# Altium PCB Goldstrike1_Rev01 2014 06 02 2.PcbDoc (part 5 of 6) (continued)
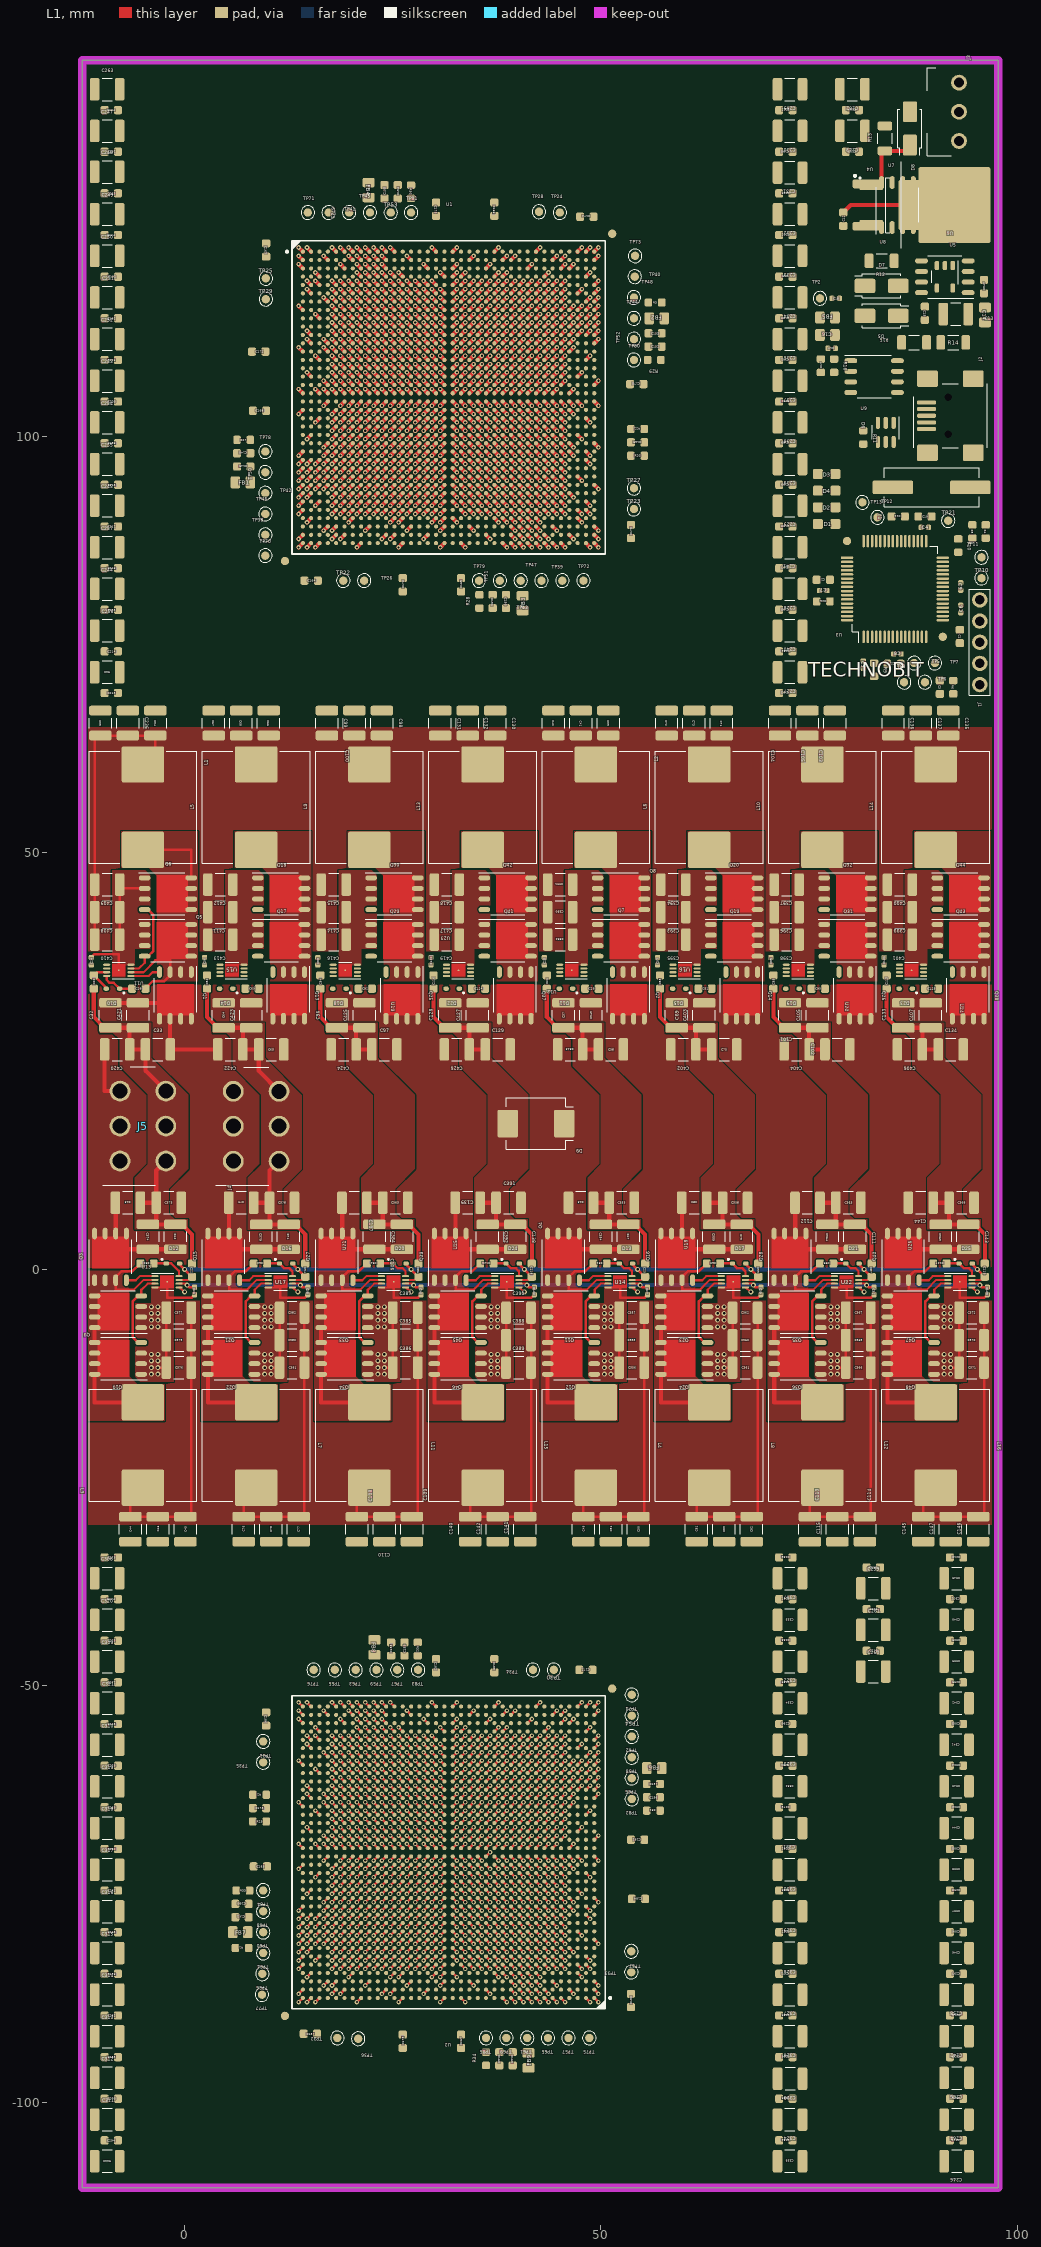
[diagram p0: L1 view]
## Nets (pads, with @x,y where several pads share a name; then routed paths per layer and width w, separated by ;. In a path a pad name is that pad's centre, name@x,y a point inside that pad or via, vN(x,y) a via of type N, cw(c..) or ccw(c..) an arc to the next point about the centre after c; other vN are vias at no path point) (continued)
  L1 w0.5: C20.1@-10.9,33.7 -10.9,30.3 -9.6,29 C421.1@-6.6,29 ; C421.1@-5.6,29 C421.1@-6.6,29 ; C43.1@-5.3,8 C373.1@-3.4,8 ; C374.1@-4.4,5.4 C374.1@-3.4,5.4 ; J5.4@-2.25,13 -3.4,11.85 C373.1@-3.4,8 ; J5.6@-2.25,21.4 -4.7,23.85 C33.1@-4.7,26.4 C420.1@-6.6,26.4 C421.1@-6.6,29 ; C22.1@0.9,0.7 0.9,4.2 -0.3,5.4 C42.1@-1.1,5.4 C374.1@-3.4,5.4 ; C52.1@2.7,33.7 2.7,30.3 4,29 C423.1@7,29 ; C423.1@8,29 C423.1@7,29 ; C75.1@8.3,8 C378.1@10.2,8 ; C379.1@9.2,5.4 C379.1@10.2,5.4 ; J4.4@11.35,12.981 10.2,11.85 C378.1@10.2,8 ; J4.6@11.35,21.381 8.9,23.85 C65.1@8.9,26.4 C422.1@7,26.4 C423.1@7,29 ; v1(13.7,86.7) U1.AT1@14.2,87.2 ; v1(13.7,87.7) U1.AR1@14.2,88.2 ; v1(13.7,95.7) U1.AG1@14.2,96.2 ; v1(13.7,97.7) U1.AE1@14.2,98.2 ; v1(13.7,105.7) U1.V1@14.2,105.2 ; v1(13.7,115.7) U1.H1@14.2,115.2 ; v1(13.7,121.7) U1.B1@14.2,121.2 ; v1(13.7,122.7) U1.A1@14.2,122.2 ; C54.1@14.5,0.7 14.5,4.2 13.3,5.4 C74.1@12.5,5.4 C379.1@10.2,5.4 ; v1(14.7,86.7) U1.AT2@15.2,87.2 ; v1(14.7,94.7) U1.AH2@15.2,95.2 ; v1(14.7,96.7) U1.AF2@15.2,97.2 ; v1(14.7,112.7) U1.L2@15.2,112.2 ; v1(14.7,118.7) U1.E2@15.2,118.2 ; v1(14.7,122.7) U1.A2@15.2,122.2 ; v1(15.7,91.7) U1.AL3@16.2,92.2 ; v1(15.7,101.7) U1.AA3@16.2,102.2 ; v1(15.7,105.7) U1.V3@16.2,105.2 ; v1(15.7,109.7) U1.P3@16.2,109.2 ; v1(15.7,119.7) U1.D3@16.2,119.2 ; C84.1@16.3,33.7 16.3,30.3 17.6,29 C425.1@20.6,29 ; v1(16.7,88.7) U1.AP4@17.2,89.2 ; v1(16.7,98.7) U1.AD4@17.2,99.2 ; v1(16.7,106.7) U1.U4@17.2,106.2 ; v1(16.7,116.7) U1.G4@17.2,116.2 ; v1(17.7,87.7) U1.AR5@18.2,88.2 ; v1(17.7,91.7) U1.AL5@18.2,92.2 ; v1(17.7,93.7) U1.AJ5@18.2,94.2 ; v1(17.7,95.7) U1.AG5@18.2,96.2 ; v1(17.7,97.7) U1.AE5@18.2,98.2 ; v1(17.7,99.7) U1.AC5@18.2,100.2 ; v1(17.7,101.7) U1.AA5@18.2,102.2 ; v1(17.7,102.7) U1.Y5@18.2,103.2 ; v1(17.7,105.7) U1.V5@18.2,105.2 ; v1(17.7,107.7) U1.T5@18.2,107.2 ; v1(17.7,109.7) U1.P5@18.2,109.2 ; v1(17.7,111.7) U1.M5@18.2,111.2 ; v1(17.7,113.7) U1.K5@18.2,113.2 ; v1(17.7,115.7) U1.H5@18.2,115.2 ; v1(18.7,92.7) U1.AK6@19.2,93.2 ; v1(18.7,94.7) U1.AH6@19.2,95.2 ; v1(18.7,96.7) U1.AF6@19.2,97.2 ; v1(18.7,98.7) U1.AD6@19.2,99.2 ; v1(18.7,100.7) U1.AB6@19.2,101.2 ; v1(18.7,102.7) U1.Y6@19.2,103.2 ; v1(18.7,106.7) U1.U6@19.2,106.2 ; v1(18.7,108.7) U1.R6@19.2,108.2 ; v1(18.7,110.7) U1.N6@19.2,110.2 ; v1(18.7,112.7) U1.L6@19.2,112.2 ; v1(18.7,114.7) U1.J6@19.2,114.2 ; v1(18.7,116.7) U1.G6@19.2,116.2 ; v1(18.7,118.7) U1.E6@19.2,118.2 ; v1(18.7,120.7) U1.C6@19.2,120.2 ; v1(19.7,89.7) U1.AN7@20.2,90.2 ; v1(19.7,91.7) U1.AL7@20.2,92.2 ; v1(19.7,93.7) U1.AJ7@20.2,94.2 ; v1(19.7,95.7) U1.AG7@20.2,96.2 ; v1(19.7,97.7) U1.AE7@20.2,98.2 ; v1(19.7,99.7) U1.AC7@20.2,100.2 ; v1(19.7,101.7) U1.AA7@20.2,102.2 ; v1(19.7,103.7) U1.W7@20.2,104.2 ; v1(19.7,105.7) U1.V7@20.2,105.2 ; v1(19.7,107.7) U1.T7@20.2,107.2 ; v1(19.7,109.7) U1.P7@20.2,109.2 ; v1(19.7,111.7) U1.M7@20.2,111.2 ; v1(19.7,113.7) U1.K7@20.2,113.2 ; v1(19.7,115.7) U1.H7@20.2,115.2 ; v1(19.7,117.7) U1.F7@20.2,117.2 ; v1(20.7,86.7) U1.AT8@21.2,87.2 ; v1(20.7,90.7) U1.AM8@21.2,91.2 ; v1(20.7,92.7) U1.AK8@21.2,93.2 ; v1(20.7,94.7) U1.AH8@21.2,95.2 ; v1(20.7,96.7) U1.AF8@21.2,97.2 ; v1(20.7,98.7) U1.AD8@21.2,99.2 ; v1(20.7,100.7) U1.AB8@21.2,101.2 ; v1(20.7,102.7) U1.Y8@21.2,103.2 ; v1(20.7,106.7) U1.U8@21.2,106.2 ; v1(20.7,108.7) U1.R8@21.2,108.2 ; v1(20.7,110.7) U1.N8@21.2,110.2 ; v1(20.7,112.7) U1.L8@21.2,112.2 ; v1(20.7,114.7) U1.J8@21.2,114.2 ; v1(20.7,116.7) U1.G8@21.2,116.2 ; v1(20.7,118.7) U1.E8@21.2,118.2 ; C425.1@21.6,29 C425.1@20.6,29 ; v1(21.7,91.7) U1.AL9@22.2,92.2 ; v1(21.7,93.7) U1.AJ9@22.2,94.2 ; v1(21.7,95.7) U1.AG9@22.2,96.2 ; v1(21.7,97.7) U1.AE9@22.2,98.2 ; v1(21.7,99.7) U1.AC9@22.2,100.2 ; v1(21.7,101.7) U1.AA9@22.2,102.2 ; v1(21.7,103.7) U1.W9@22.2,104.2 ; v1(21.7,105.7) U1.V9@22.2,105.2 ; v1(21.7,107.7) U1.T9@22.2,107.2 ; v1(21.7,109.7) U1.P9@22.2,109.2 ; v1(21.7,111.7) U1.M9@22.2,111.2 ; v1(21.7,113.7) U1.K9@22.2,113.2 ; v1(21.7,115.7) U1.H9@22.2,115.2 ; v1(21.7,117.7) U1.F9@22.2,117.2 ; v1(21.7,121.7) U1.B9@22.2,121.2 ; C107.1@21.9,8 C383.1@23.8,8 C384.1@23.8,5.4 ; C97.1@22.5,26.4 C424.1@20.6,26.4 C425.1@20.6,29 ; v1(22.7,90.7) U1.AM10@23.2,91.2 ; v1(22.7,92.7) U1.AK10@23.2,93.2 ; v1(22.7,94.7) U1.AH10@23.2,95.2 ; v1(22.7,96.7) U1.AF10@23.2,97.2 ; v1(22.7,98.7) U1.AD10@23.2,99.2 ; v1(22.7,100.7) U1.AB10@23.2,101.2 ; v1(22.7,102.7) U1.Y10@23.2,103.2 ; v1(22.7,106.7) U1.U10@23.2,106.2 ; v1(22.7,108.7) U1.R10@23.2,108.2 ; v1(22.7,110.7) U1.N10@23.2,110.2 ; v1(22.7,112.7) U1.L10@23.2,112.2 ; v1(22.7,114.7) U1.J10@23.2,114.2 ; v1(22.7,116.7) U1.G10@23.2,116.2 ; v1(22.7,118.7) U1.E10@23.2,118.2 ; v1(22.7,122.7) U1.A10@23.2,122.2 ; C384.1@22.8,5.4 C384.1@23.8,5.4 ; v1(23.7,87.7) U1.AR11@24.2,88.2 ; v1(23.7,91.7) U1.AL11@24.2,92.2 ; v1(23.7,93.7) U1.AJ11@24.2,94.2 ; v1(23.7,95.7) U1.AG11@24.2,96.2 ; v1(23.7,97.7) U1.AE11@24.2,98.2 ; v1(23.7,99.7) U1.AC11@24.2,100.2 ; v1(23.7,101.7) U1.AA11@24.2,102.2 ; v1(23.7,103.7) U1.W11@24.2,104.2 ; v1(23.7,105.7) U1.V11@24.2,105.2 ; v1(23.7,107.7) U1.T11@24.2,107.2 ; v1(23.7,109.7) U1.P11@24.2,109.2 ; v1(23.7,111.7) U1.M11@24.2,111.2 ; v1(23.7,113.7) U1.K11@24.2,113.2 ; v1(23.7,115.7) U1.H11@24.2,115.2 ; v1(23.7,117.7) U1.F11@24.2,117.2 ; v1(23.7,121.7) U1.B11@24.2,121.2 ; v1(24.7,90.7) U1.AM12@25.2,91.2 ; v1(24.7,92.7) U1.AK12@25.2,93.2 ; v1(24.7,94.7) U1.AH12@25.2,95.2 ; v1(24.7,96.7) U1.AF12@25.2,97.2 ; v1(24.7,98.7) U1.AD12@25.2,99.2 ; v1(24.7,100.7) U1.AB12@25.2,101.2 ; v1(24.7,102.7) U1.Y12@25.2,103.2 ; v1(24.7,106.7) U1.U12@25.2,106.2 ; v1(24.7,108.7) U1.R12@25.2,108.2 ; v1(24.7,110.7) U1.N12@25.2,110.2 ; v1(24.7,112.7) U1.L12@25.2,112.2 ; v1(24.7,114.7) U1.J12@25.2,114.2 ; v1(24.7,116.7) U1.G12@25.2,116.2 ; v1(24.7,118.7) U1.E12@25.2,118.2 ; v1(24.7,122.7) U1.A12@25.2,122.2 ; v1(25.7,91.7) U1.AL13@26.2,92.2 ; v1(25.7,93.7) U1.AJ13@26.2,94.2 ; v1(25.7,95.7) U1.AG13@26.2,96.2 ; v1(25.7,97.7) U1.AE13@26.2,98.2 ; v1(25.7,99.7) U1.AC13@26.2,100.2 ; v1(25.7,101.7) U1.AA13@26.2,102.2 ; v1(25.7,103.7) U1.W13@26.2,104.2 ; v1(25.7,105.7) U1.V13@26.2,105.2 ; v1(25.7,107.7) U1.T13@26.2,107.2 ; v1(25.7,109.7) U1.P13@26.2,109.2 ; v1(25.7,111.7) U1.M13@26.2,111.2 ; v1(25.7,113.7) U1.K13@26.2,113.2 ; v1(25.7,115.7) U1.H13@26.2,115.2 ; v1(25.7,117.7) U1.F13@26.2,117.2 ; v1(25.7,119.7) U1.D13@26.2,119.2 ; v1(26.7,88.7) U1.AP14@27.2,89.2 ; v1(26.7,90.7) U1.AM14@27.2,91.2 ; v1(26.7,92.7) U1.AK14@27.2,93.2 ; v1(26.7,94.7) U1.AH14@27.2,95.2 ; v1(26.7,96.7) U1.AF14@27.2,97.2 ; v1(26.7,98.7) U1.AD14@27.2,99.2 ; v1(26.7,100.7) U1.AB14@27.2,101.2 ; v1(26.7,102.7) U1.Y14@27.2,103.2 ; v1(26.7,106.7) U1.U14@27.2,106.2 ; v1(26.7,108.7) U1.R14@27.2,108.2 ; v1(26.7,110.7) U1.N14@27.2,110.2 ; v1(26.7,112.7) U1.L14@27.2,112.2 ; v1(26.7,114.7) U1.J14@27.2,114.2 ; v1(26.7,116.7) U1.G14@27.2,116.2 ; v1(26.7,118.7) U1.E14@27.2,118.2 ; v1(27.7,91.7) U1.AL15@28.2,92.2 ; v1(27.7,93.7) U1.AJ15@28.2,94.2 ; v1(27.7,95.7) U1.AG15@28.2,96.2 ; v1(27.7,97.7) U1.AE15@28.2,98.2 ; v1(27.7,99.7) U1.AC15@28.2,100.2 ; v1(27.7,101.7) U1.AA15@28.2,102.2 ; v1(27.7,103.7) U1.W15@28.2,104.2 ; v1(27.7,105.7) U1.V15@28.2,105.2 ; v1(27.7,107.7) U1.T15@28.2,107.2 ; v1(27.7,109.7) U1.P15@28.2,109.2 ; v1(27.7,111.7) U1.M15@28.2,111.2 ; v1(27.7,113.7) U1.K15@28.2,113.2 ; v1(27.7,115.7) U1.H15@28.2,115.2 ; v1(27.7,117.7) U1.F15@28.2,117.2 ; C86.1@28.1,0.7 28.1,4.2 26.9,5.4 C106.1@26.1,5.4 C384.1@23.8,5.4 ; v1(28.7,90.7) U1.AM16@29.2,91.2 ; v1(28.7,92.7) U1.AK16@29.2,93.2 ; v1(28.7,94.7) U1.AH16@29.2,95.2 ; v1(28.7,96.7) U1.AF16@29.2,97.2 ; v1(28.7,98.7) U1.AD16@29.2,99.2 ; v1(28.7,100.7) U1.AB16@29.2,101.2 ; v1(28.7,102.7) U1.Y16@29.2,103.2 ; v1(28.7,106.7) U1.U16@29.2,106.2 ; v1(28.7,108.7) U1.R16@29.2,108.2 ; v1(28.7,110.7) U1.N16@29.2,110.2 ; v1(28.7,112.7) U1.L16@29.2,112.2 ; v1(28.7,114.7) U1.J16@29.2,114.2 ; v1(28.7,116.7) U1.G16@29.2,116.2 ; v1(28.7,118.7) U1.E16@29.2,118.2 ; v1(28.7,120.7) U1.C16@29.2,120.2 ; v1(29.7,89.7) U1.AN17@30.2,90.2 ; v1(29.7,91.7) U1.AL17@30.2,92.2 ; v1(29.7,93.7) U1.AJ17@30.2,94.2 ; v1(29.7,95.7) U1.AG17@30.2,96.2 ; v1(29.7,97.7) U1.AE17@30.2,98.2 ; v1(29.7,99.7) U1.AC17@30.2,100.2 ; v1(29.7,101.7) U1.AA17@30.2,102.2 ; v1(29.7,103.7) U1.W17@30.2,104.2 ; v1(29.7,105.7) U1.V17@30.2,105.2 ; v1(29.7,107.7) U1.T17@30.2,107.2 ; v1(29.7,109.7) U1.P17@30.2,109.2 ; v1(29.7,111.7) U1.M17@30.2,111.2 ; v1(29.7,113.7) U1.K17@30.2,113.2 ; v1(29.7,115.7) U1.H17@30.2,115.2 ; v1(29.7,117.7) U1.F17@30.2,117.2 ; v1(29.7,118.7) U1.E17@30.2,118.2 ; C116.1@29.9,33.7 29.9,30.3 31.2,29 C427.1@34.2,29 ; v1(30.7,86.7) U1.AT18@31.2,87.2 ; v1(30.7,88.7) U1.AP18@31.2,89.2 ; v1(30.7,90.7) U1.AM18@31.2,91.2 ; v1(30.7,92.7) U1.AK18@31.2,93.2 ; v1(30.7,94.7) U1.AH18@31.2,95.2 ; v1(30.7,96.7) U1.AF18@31.2,97.2 ; v1(30.7,98.7) U1.AD18@31.2,99.2 ; v1(30.7,100.7) U1.AB18@31.2,101.2 ; v1(30.7,102.7) U1.Y18@31.2,103.2 ; v1(30.7,106.7) U1.U18@31.2,106.2 ; v1(30.7,108.7) U1.R18@31.2,108.2 ; v1(30.7,110.7) U1.N18@31.2,110.2 ; v1(30.7,112.7) U1.L18@31.2,112.2 ; v1(30.7,114.7) U1.J18@31.2,114.2 ; v1(30.7,116.7) U1.G18@31.2,116.2 ; U1.AK19@32.2,93.2 v1(32.7,92.7) ; U1.AH19@32.2,95.2 v1(32.7,94.7) ; U1.AF19@32.2,97.2 v1(32.7,96.7) ; U1.AD19@32.2,99.2 v1(32.7,98.7) ; U1.AB19@32.2,101.2 v1(32.7,100.7) ; U1.Y19@32.2,103.2 v1(32.7,102.7) ; U1.U19@32.2,106.2 v1(32.7,106.7) ; U1.R19@32.2,108.2 v1(32.7,108.7) ; U1.N19@32.2,110.2 v1(32.7,110.7) ; U1.L19@32.2,112.2 v1(32.7,112.7) ; U1.J19@32.2,114.2 v1(32.7,114.7) ; U1.G19@32.2,116.2 v1(32.7,116.7) ; U1.E19@32.2,118.2 v1(32.7,118.7) ; U1.C19@32.2,120.2 v1(32.7,120.7) ; U1.A19@32.2,122.2 v1(32.7,122.7) ; U1.AM20@33.2,91.2 v1(33.7,90.7) ; U1.AL20@33.2,92.2 v1(33.7,91.7) ; U1.AJ20@33.2,94.2 v1(33.7,93.7) ; U1.AG20@33.2,96.2 v1(33.7,95.7) ; U1.AE20@33.2,98.2 v1(33.7,97.7) ; U1.AC20@33.2,100.2 v1(33.7,99.7) ; U1.AA20@33.2,102.2 v1(33.7,101.7) ; U1.W20@33.2,104.2 v1(33.7,103.7) ; U1.V20@33.2,105.2 v1(33.7,105.7) ; U1.T20@33.2,107.2 v1(33.7,107.7) ; U1.P20@33.2,109.2 v1(33.7,109.7) ; U1.M20@33.2,111.2 v1(33.7,111.7) ; U1.K20@33.2,113.2 v1(33.7,113.7) ; U1.H20@33.2,115.2 v1(33.7,115.7) ; U1.F20@33.2,117.2 v1(33.7,117.7) ; U1.D20@33.2,119.2 v1(33.7,119.7) ; U1.AP21@34.2,89.2 v1(34.7,88.7) ; U1.AM21@34.2,91.2 v1(34.7,90.7) ; U1.AK21@34.2,93.2 v1(34.7,92.7) ; U1.AH21@34.2,95.2 v1(34.7,94.7) ; U1.AF21@34.2,97.2 v1(34.7,96.7) ; U1.AD21@34.2,99.2 v1(34.7,98.7) ; U1.AB21@34.2,101.2 v1(34.7,100.7) ; U1.Y21@34.2,103.2 v1(34.7,102.7) ; U1.U21@34.2,106.2 v1(34.7,106.7) ; U1.R21@34.2,108.2 v1(34.7,108.7) ; U1.N21@34.2,110.2 v1(34.7,110.7) ; U1.L21@34.2,112.2 v1(34.7,112.7) ; U1.J21@34.2,114.2 v1(34.7,114.7) ; U1.G21@34.2,116.2 v1(34.7,116.7) ; U1.E21@34.2,118.2 v1(34.7,118.7) ; C427.1@35.2,29 C427.1@34.2,29 ; U1.AL22@35.2,92.2 v1(35.7,91.7) ; U1.AJ22@35.2,94.2 v1(35.7,93.7) ; U1.AG22@35.2,96.2 v1(35.7,95.7) ; U1.AE22@35.2,98.2 v1(35.7,97.7) ; U1.AC22@35.2,100.2 v1(35.7,99.7) ; U1.AA22@35.2,102.2 v1(35.7,101.7) ; U1.W22@35.2,104.2 v1(35.7,103.7) ; U1.V22@35.2,105.2 v1(35.7,105.7) ; U1.T22@35.2,107.2 v1(35.7,107.7) ; U1.P22@35.2,109.2 v1(35.7,109.7) ; U1.M22@35.2,111.2 v1(35.7,111.7) ; U1.K22@35.2,113.2 v1(35.7,113.7) ; U1.H22@35.2,115.2 v1(35.7,115.7) ; U1.F22@35.2,117.2 v1(35.7,117.7) ; C139.1@35.5,8 C391.1@37.4,8 C392.1@37.4,5.4 ; C129.1@36.1,26.4 C426.1@34.2,26.4 C427.1@34.2,29 ; U1.AM23@36.2,91.2 v1(36.7,90.7) ; U1.AK23@36.2,93.2 v1(36.7,92.7) ; U1.AH23@36.2,95.2 v1(36.7,94.7) ; U1.AF23@36.2,97.2 v1(36.7,96.7) ; U1.AD23@36.2,99.2 v1(36.7,98.7) ; U1.AB23@36.2,101.2 v1(36.7,100.7) ; U1.Y23@36.2,103.2 v1(36.7,102.7) ; U1.U23@36.2,106.2 v1(36.7,106.7) ; U1.R23@36.2,108.2 v1(36.7,108.7) ; U1.N23@36.2,110.2 v1(36.7,110.7) ; U1.L23@36.2,112.2 v1(36.7,112.7) ; U1.J23@36.2,114.2 v1(36.7,114.7) ; U1.G23@36.2,116.2 v1(36.7,116.7) ; U1.E23@36.2,118.2 v1(36.7,118.7) ; U1.C23@36.2,120.2 v1(36.7,120.7) ; C392.1@36.4,5.4 C392.1@37.4,5.4 ; U1.AN24@37.2,90.2 v1(37.7,89.7) ; U1.AL24@37.2,92.2 v1(37.7,91.7) ; U1.AJ24@37.2,94.2 v1(37.7,93.7) ; U1.AG24@37.2,96.2 v1(37.7,95.7) ; U1.AE24@37.2,98.2 v1(37.7,97.7) ; U1.AC24@37.2,100.2 v1(37.7,99.7) ; U1.AA24@37.2,102.2 v1(37.7,101.7) ; U1.W24@37.2,104.2 v1(37.7,103.7) ; U1.V24@37.2,105.2 v1(37.7,105.7) ; U1.T24@37.2,107.2 v1(37.7,107.7) ; U1.P24@37.2,109.2 v1(37.7,109.7) ; U1.M24@37.2,111.2 v1(37.7,111.7) ; U1.K24@37.2,113.2 v1(37.7,113.7) ; U1.H24@37.2,115.2 v1(37.7,115.7) ; U1.F24@37.2,117.2 v1(37.7,117.7) ; U1.AT25@38.2,87.2 v1(38.7,86.7) ; U1.AM25@38.2,91.2 v1(38.7,90.7) ; U1.AK25@38.2,93.2 v1(38.7,92.7) ; U1.AH25@38.2,95.2 v1(38.7,94.7) ; U1.AF25@38.2,97.2 v1(38.7,96.7) ; U1.AD25@38.2,99.2 v1(38.7,98.7) ; U1.AB25@38.2,101.2 v1(38.7,100.7) ; U1.Y25@38.2,103.2 v1(38.7,102.7) ; U1.U25@38.2,106.2 v1(38.7,106.7) ; U1.R25@38.2,108.2 v1(38.7,108.7) ; U1.N25@38.2,110.2 v1(38.7,110.7) ; U1.L25@38.2,112.2 v1(38.7,112.7) ; U1.J25@38.2,114.2 v1(38.7,114.7) ; U1.G25@38.2,116.2 v1(38.7,116.7) ; U1.E25@38.2,118.2 v1(38.7,118.7) ; U1.AR26@39.2,88.2 v1(39.7,87.7) ; U1.AL26@39.2,92.2 v1(39.7,91.7) ; U1.AJ26@39.2,94.2 v1(39.7,93.7) ; U1.AG26@39.2,96.2 v1(39.7,95.7) ; U1.AE26@39.2,98.2 v1(39.7,97.7) ; U1.AC26@39.2,100.2 v1(39.7,99.7) ; U1.AA26@39.2,102.2 v1(39.7,101.7) ; U1.W26@39.2,104.2 v1(39.7,103.7) ; U1.V26@39.2,105.2 v1(39.7,105.7) ; U1.T26@39.2,107.2 v1(39.7,107.7) ; U1.P26@39.2,109.2 v1(39.7,109.7) ; U1.M26@39.2,111.2 v1(39.7,111.7) ; U1.K26@39.2,113.2 v1(39.7,113.7) ; U1.H26@39.2,115.2 v1(39.7,115.7) ; U1.F26@39.2,117.2 v1(39.7,117.7) ; U1.B26@39.2,121.2 v1(39.7,121.7) ; U1.AT27@40.2,87.2 v1(40.7,86.7) ; U1.AM27@40.2,91.2 v1(40.7,90.7) ; U1.AK27@40.2,93.2 v1(40.7,92.7) ; U1.AH27@40.2,95.2 v1(40.7,94.7) ; U1.AF27@40.2,97.2 v1(40.7,96.7) ; U1.AD27@40.2,99.2 v1(40.7,98.7) ; U1.AB27@40.2,101.2 v1(40.7,100.7) ; U1.Y27@40.2,103.2 v1(40.7,102.7) ; U1.U27@40.2,106.2 v1(40.7,106.7) ; U1.R27@40.2,108.2 v1(40.7,108.7) ; U1.N27@40.2,110.2 v1(40.7,110.7) ; U1.L27@40.2,112.2 v1(40.7,112.7) ; U1.J27@40.2,114.2 v1(40.7,114.7) ; U1.G27@40.2,116.2 v1(40.7,116.7) ; U1.E27@40.2,118.2 v1(40.7,118.7) ; U1.AR28@41.2,88.2 v1(41.7,87.7) ; U1.AL28@41.2,92.2 v1(41.7,91.7) ; U1.AJ28@41.2,94.2 v1(41.7,93.7) ; U1.AG28@41.2,96.2 v1(41.7,95.7) ; U1.AE28@41.2,98.2 v1(41.7,97.7) ; U1.AC28@41.2,100.2 v1(41.7,99.7) ; U1.AA28@41.2,102.2 v1(41.7,101.7) ; U1.W28@41.2,104.2 v1(41.7,103.7) ; U1.V28@41.2,105.2 v1(41.7,105.7) ; U1.T28@41.2,107.2 v1(41.7,107.7) ; U1.P28@41.2,109.2 v1(41.7,109.7) ; U1.M28@41.2,111.2 v1(41.7,111.7) ; U1.K28@41.2,113.2 v1(41.7,113.7) ; U1.H28@41.2,115.2 v1(41.7,115.7) ; U1.F28@41.2,117.2 v1(41.7,117.7) ; C118.1@41.7,0.7 41.7,4.2 40.5,5.4 C138.1@39.7,5.4 C392.1@37.4,5.4 ; U1.AM29@42.2,91.2 v1(42.7,90.7) ; U1.AK29@42.2,93.2 v1(42.7,92.7) ; U1.AH29@42.2,95.2 v1(42.7,94.7) ; U1.AF29@42.2,97.2 v1(42.7,96.7) ; U1.AD29@42.2,99.2 v1(42.7,98.7) ; U1.AB29@42.2,101.2 v1(42.7,100.7) ; U1.Y29@42.2,103.2 v1(42.7,102.7) ; U1.U29@42.2,106.2 v1(42.7,106.7) ; U1.R29@42.2,108.2 v1(42.7,108.7) ; U1.N29@42.2,110.2 v1(42.7,110.7) ; U1.L29@42.2,112.2 v1(42.7,112.7) ; U1.J29@42.2,114.2 v1(42.7,114.7) ; U1.G29@42.2,116.2 v1(42.7,116.7) ; U1.E29@42.2,118.2 v1(42.7,118.7) ; U1.A29@42.2,122.2 v1(42.7,122.7) ; U1.AL30@43.2,92.2 v1(43.7,91.7) ; U1.AJ30@43.2,94.2 v1(43.7,93.7) ; U1.AG30@43.2,96.2 v1(43.7,95.7) ; U1.AE30@43.2,98.2 v1(43.7,97.7) ; U1.AC30@43.2,100.2 v1(43.7,99.7) ; U1.AA30@43.2,102.2 v1(43.7,101.7) ; U1.W30@43.2,104.2 v1(43.7,103.7) ; U1.V30@43.2,105.2 v1(43.7,105.7) ; U1.T30@43.2,107.2 v1(43.7,107.7) ; U1.P30@43.2,109.2 v1(43.7,109.7) ; U1.M30@43.2,111.2 v1(43.7,111.7) ; U1.K30@43.2,113.2 v1(43.7,113.7) ; U1.H30@43.2,115.2 v1(43.7,115.7) ; U1.F30@43.2,117.2 v1(43.7,117.7) ; U1.D30@43.2,119.2 v1(43.7,119.7) ; C21.1@43.5,33.7 43.5,30.3 44.8,29 C349.1@47.8,29 ; U1.AP31@44.2,89.2 v1(44.7,88.7) ; U1.AM31@44.2,91.2 v1(44.7,90.7) ; U1.AK31@44.2,93.2 v1(44.7,92.7) ; U1.AH31@44.2,95.2 v1(44.7,94.7) ; U1.AF31@44.2,97.2 v1(44.7,96.7) ; U1.AD31@44.2,99.2 v1(44.7,98.7) ; U1.AB31@44.2,101.2 v1(44.7,100.7) ; U1.Y31@44.2,103.2 v1(44.7,102.7) ; U1.U31@44.2,106.2 v1(44.7,106.7) ; U1.R31@44.2,108.2 v1(44.7,108.7) ; U1.N31@44.2,110.2 v1(44.7,110.7) ; U1.L31@44.2,112.2 v1(44.7,112.7) ; U1.J31@44.2,114.2 v1(44.7,114.7) ; U1.G31@44.2,116.2 v1(44.7,116.7) ; U1.AJ32@45.2,94.2 v1(45.7,93.7) ; U1.AG32@45.2,96.2 v1(45.7,95.7) ; U1.AE32@45.2,98.2 v1(45.7,97.7) ; U1.AC32@45.2,100.2 v1(45.7,99.7) ; U1.AA32@45.2,102.2 v1(45.7,101.7) ; U1.W32@45.2,104.2 v1(45.7,103.7) ; U1.U32@45.2,106.2 v1(45.7,106.7) ; U1.T32@45.2,107.2 v1(45.7,107.7) ; U1.P32@45.2,109.2 v1(45.7,109.7) ; U1.M32@45.2,111.2 v1(45.7,111.7) ; U1.K32@45.2,113.2 v1(45.7,113.7) ; U1.H32@45.2,115.2 v1(45.7,115.7) ; U1.F32@45.2,117.2 v1(45.7,117.7) ; U1.B32@45.2,121.2 v1(45.7,121.7) ; U1.AK33@46.2,93.2 v1(46.7,92.7) ; U1.Y33@46.2,103.2 v1(46.7,102.7) ; U1.N33@46.2,110.2 v1(46.7,110.7) ; U1.C33@46.2,120.2 v1(46.7,120.7) ; U1.AN34@47.2,90.2 v1(47.7,89.7) ; U1.AC34@47.2,100.2 v1(47.7,99.7) ; U1.W34@47.2,104.2 v1(47.7,103.7) ; U1.T34@47.2,107.2 v1(47.7,107.7) ; U1.F34@47.2,117.2 v1(47.7,117.7) ; U1.AT35@48.2,87.2 v1(48.7,86.7) ; U1.AM35@48.2,91.2 v1(48.7,90.7) ; U1.AF35@48.2,97.2 v1(48.7,96.7) ; U1.L35@48.2,112.2 v1(48.7,112.7) ; U1.J35@48.2,114.2 v1(48.7,114.7) ; U1.A35@48.2,122.2 v1(48.7,122.7) ; C349.1@48.8,29 C349.1@47.8,29 ; C48.1@49.1,8 C353.1@51,8 C354.1@51,5.4 ; U1.AT36@49.2,87.2 v1(49.7,86.7) ; U1.AR36@49.2,88.2 v1(49.7,87.7) ; U1.AJ36@49.2,94.2 v1(49.7,93.7) ; U1.W36@49.2,104.2 v1(49.7,103.7) ; U1.M36@49.2,111.2 v1(49.7,111.7) ; U1.K36@49.2,113.2 v1(49.7,113.7) ; U1.B36@49.2,121.2 v1(49.7,121.7) ; U1.A36@49.2,122.2 v1(49.7,122.7) ; C38.1@49.7,26.4 C348.1@47.8,26.4 C349.1@47.8,29 ; C354.1@50,5.4 C354.1@51,5.4 ; C23.1@55.3,0.7 55.3,4.2 54.1,5.4 C47.1@53.3,5.4 C354.1@51,5.4 ; C53.1@57.1,33.7 57.1,30.3 58.4,29 C403.1@61.4,29 ; C403.1@62.4,29 C403.1@61.4,29 ; C80.1@62.7,8 C358.1@64.6,8 C359.1@64.6,5.4 ; C70.1@63.3,26.4 C402.1@61.4,26.4 C403.1@61.4,29 ; C359.1@63.6,5.4 C359.1@64.6,5.4 ; C55.1@68.9,0.7 68.9,4.2 67.7,5.4 C79.1@66.9,5.4 C359.1@64.6,5.4 ; C85.1@70.7,33.7 70.7,30.3 72,29 C405.1@75,29 ; C405.1@76,29 C405.1@75,29 ; C112.1@76.3,8 C363.1@78.2,8 C364.1@78.2,5.4 ; C102.1@76.9,26.4 C404.1@75,26.4 C405.1@75,29 ; C364.1@77.2,5.4 C364.1@78.2,5.4 ; C12.2@79.1,126.9 80,127.8 U8.4@88.95,127.8 ; C87.1@82.5,0.7 82.5,4.2 81.3,5.4 C111.1@80.5,5.4 C364.1@78.2,5.4 ; C117.1@84.3,33.7 84.3,30.3 85.6,29 C407.1@88.6,29 ; C407.1@89.6,29 C407.1@88.6,29 ; C144.1@89.9,8 C368.1@91.8,8 C369.1@91.8,5.4 ; C134.1@90.5,26.4 C406.1@88.6,26.4 C407.1@88.6,29 ; C369.1@90.8,5.4 C369.1@91.8,5.4 ; C119.1@96.1,0.7 96.1,4.2 94.9,5.4 C143.1@94.1,5.4 C369.1@91.8,5.4 ; C374.1@-3.4,5.4 C373.1@-3.4,8 ; C379.1@10.2,5.4 C378.1@10.2,8
  other v2: -4,-12.6 -3.2,-12.6 9.6,-12.6 10.4,-12.6 23.2,-12.6 24,-12.6 36.8,-12.6 37.6,-12.6 50.4,-12.6 51.2,-12.6 64,-12.6 64.8,-12.6 77.6,-12.6 78.4,-12.6 91.2,-12.6 92,-12.6 -4,-11.8 9.6,-11.8 23.2,-11.8 36.8,-11.8 50.4,-11.8 64,-11.8 77.6,-11.8 91.2,-11.8 -4,-11 -3.2,-11 9.6,-11 10.4,-11 23.2,-11 24,-11 36.8,-11 37.6,-11 50.4,-11 51.2,-11 64,-11 64.8,-11 77.6,-11 78.4,-11 91.2,-11 92,-11 -4,-10.2 -3.2,-10.2 9.6,-10.2 10.4,-10.2 23.2,-10.2 24,-10.2 36.8,-10.2 37.6,-10.2 50.4,-10.2 51.2,-10.2 64,-10.2 64.8,-10.2 77.6,-10.2 78.4,-10.2 91.2,-10.2 92,-10.2 -4,-6.9 -3.2,-6.9 9.6,-6.9 10.4,-6.9 23.2,-6.9 24,-6.9 36.8,-6.9 37.6,-6.9 50.4,-6.9 51.2,-6.9 64,-6.9 64.8,-6.9 77.6,-6.9 78.4,-6.9 91.2,-6.9 92,-6.9 -4,-6.1 -3.2,-6.1 9.6,-6.1 10.4,-6.1 23.2,-6.1 24,-6.1 36.8,-6.1 37.6,-6.1 50.4,-6.1 51.2,-6.1 64,-6.1 64.8,-6.1 77.6,-6.1 78.4,-6.1 91.2,-6.1 92,-6.1 -4,-5.3 -3.2,-5.3 9.6,-5.3 10.4,-5.3 23.2,-5.3 24,-5.3 36.8,-5.3 37.6,-5.3 50.4,-5.3 51.2,-5.3 64,-5.3 64.8,-5.3 77.6,-5.3 78.4,-5.3 91.2,-5.3 92,-5.3 -4,-4.5 -3.2,-4.5 9.6,-4.5 10.4,-4.5 23.2,-4.5 24,-4.5 36.8,-4.5 37.6,-4.5 50.4,-4.5 51.2,-4.5 64,-4.5 64.8,-4.5 77.6,-4.5 78.4,-4.5 91.2,-4.5 92,-4.5
PLL_CFG_CLK: R26.1 U1.A8 U1.AJ1 U1.AT29 U1.H36 U2.A8 U2.AJ1 U2.AT29 U2.H36 U3.59 | length 5.7
  L1 w0.3: v1(13.7,-81) U2.H36@14.2,-80.5 ; v1(20.7,-52) U2.AT29@21.2,-52.5 ; U2.A8@42.2,-87.5 v1(42.7,-88) ; U2.AJ1@49.2,-59.5 v1(49.7,-59)
  L1 w0.5: v1(13.7,93.7) U1.AJ1@14.2,94.2 ; v1(20.7,122.7) U1.A8@21.2,122.2 ; U1.AT29@42.2,87.2 v1(42.7,86.7) ; U1.H36@49.2,115.2 v1(49.7,115.7)
PLL_CFG_DAT: U1.AG3 U1.AP27 U1.C10 U1.K34 U2.AG3 U2.AP27 U2.C10 U2.K34 U3.58 | length 5.7
  L1 w0.3: v1(15.7,-79) U2.K34@16.2,-78.5 ; v1(22.7,-54) U2.AP27@23.2,-54.5 ; U2.C10@40.2,-85.5 v1(40.7,-86) ; U2.AG3@47.2,-61.5 v1(47.7,-61)
  L1 w0.5: v1(15.7,95.7) U1.AG3@16.2,96.2 ; v1(22.7,120.7) U1.C10@23.2,120.2 ; U1.AP27@40.2,89.2 v1(40.7,88.7) ; U1.K34@47.2,113.2 v1(47.7,113.7)
PLL_REF_CLK: U1.AF4 U1.AN26 U1.D11 U1.L33 U2.AF4 U2.AN26 U2.D11 U2.L33 U3.46 U3.49 U3.50 U3.51 U3.52 U3.53 U3.54 U3.55 | length 5.7
  L1 w0.3: v1(16.7,-78) U2.L33@17.2,-77.5 ; v1(23.7,-55) U2.AN26@24.2,-55.5 ; U2.D11@39.2,-84.5 v1(39.7,-85) ; U2.AF4@46.2,-62.5 v1(46.7,-62)
  L1 w0.5: v1(16.7,96.7) U1.AF4@17.2,97.2 ; v1(23.7,119.7) U1.D11@24.2,119.2 ; U1.AN26@39.2,90.2 v1(39.7,89.7) ; U1.L33@46.2,112.2 v1(46.7,112.7)
PWM1H: U3.61 U12.5 U14.5 | length 0.9
  L1 w0.25: U14.5@53.75,-2.175 53.9,-2.175 53.9,-2.3 v2(54.4,-2.7)
PWM1L: U3.60 U11.5 U13.5 | length 0.9
  L1 w0.25: U13.5@-0.65,-2.175 -0.5,-2.175 -0.5,-2.3 v2(0,-2.7)
PWM2H: U3.63 U16.5 U18.5 | length 0.9
  L1 w0.25: U18.5@67.35,-2.175 67.5,-2.175 67.5,-2.3 v2(68,-2.7)
PWM2L: U3.62 U15.5 U17.5 | length 0.9
  L1 w0.25: U17.5@12.95,-2.175 13.1,-2.175 13.1,-2.3 v2(13.6,-2.7)